# KiCad board IO_SDR_1.1.kicad_pcb (continued)
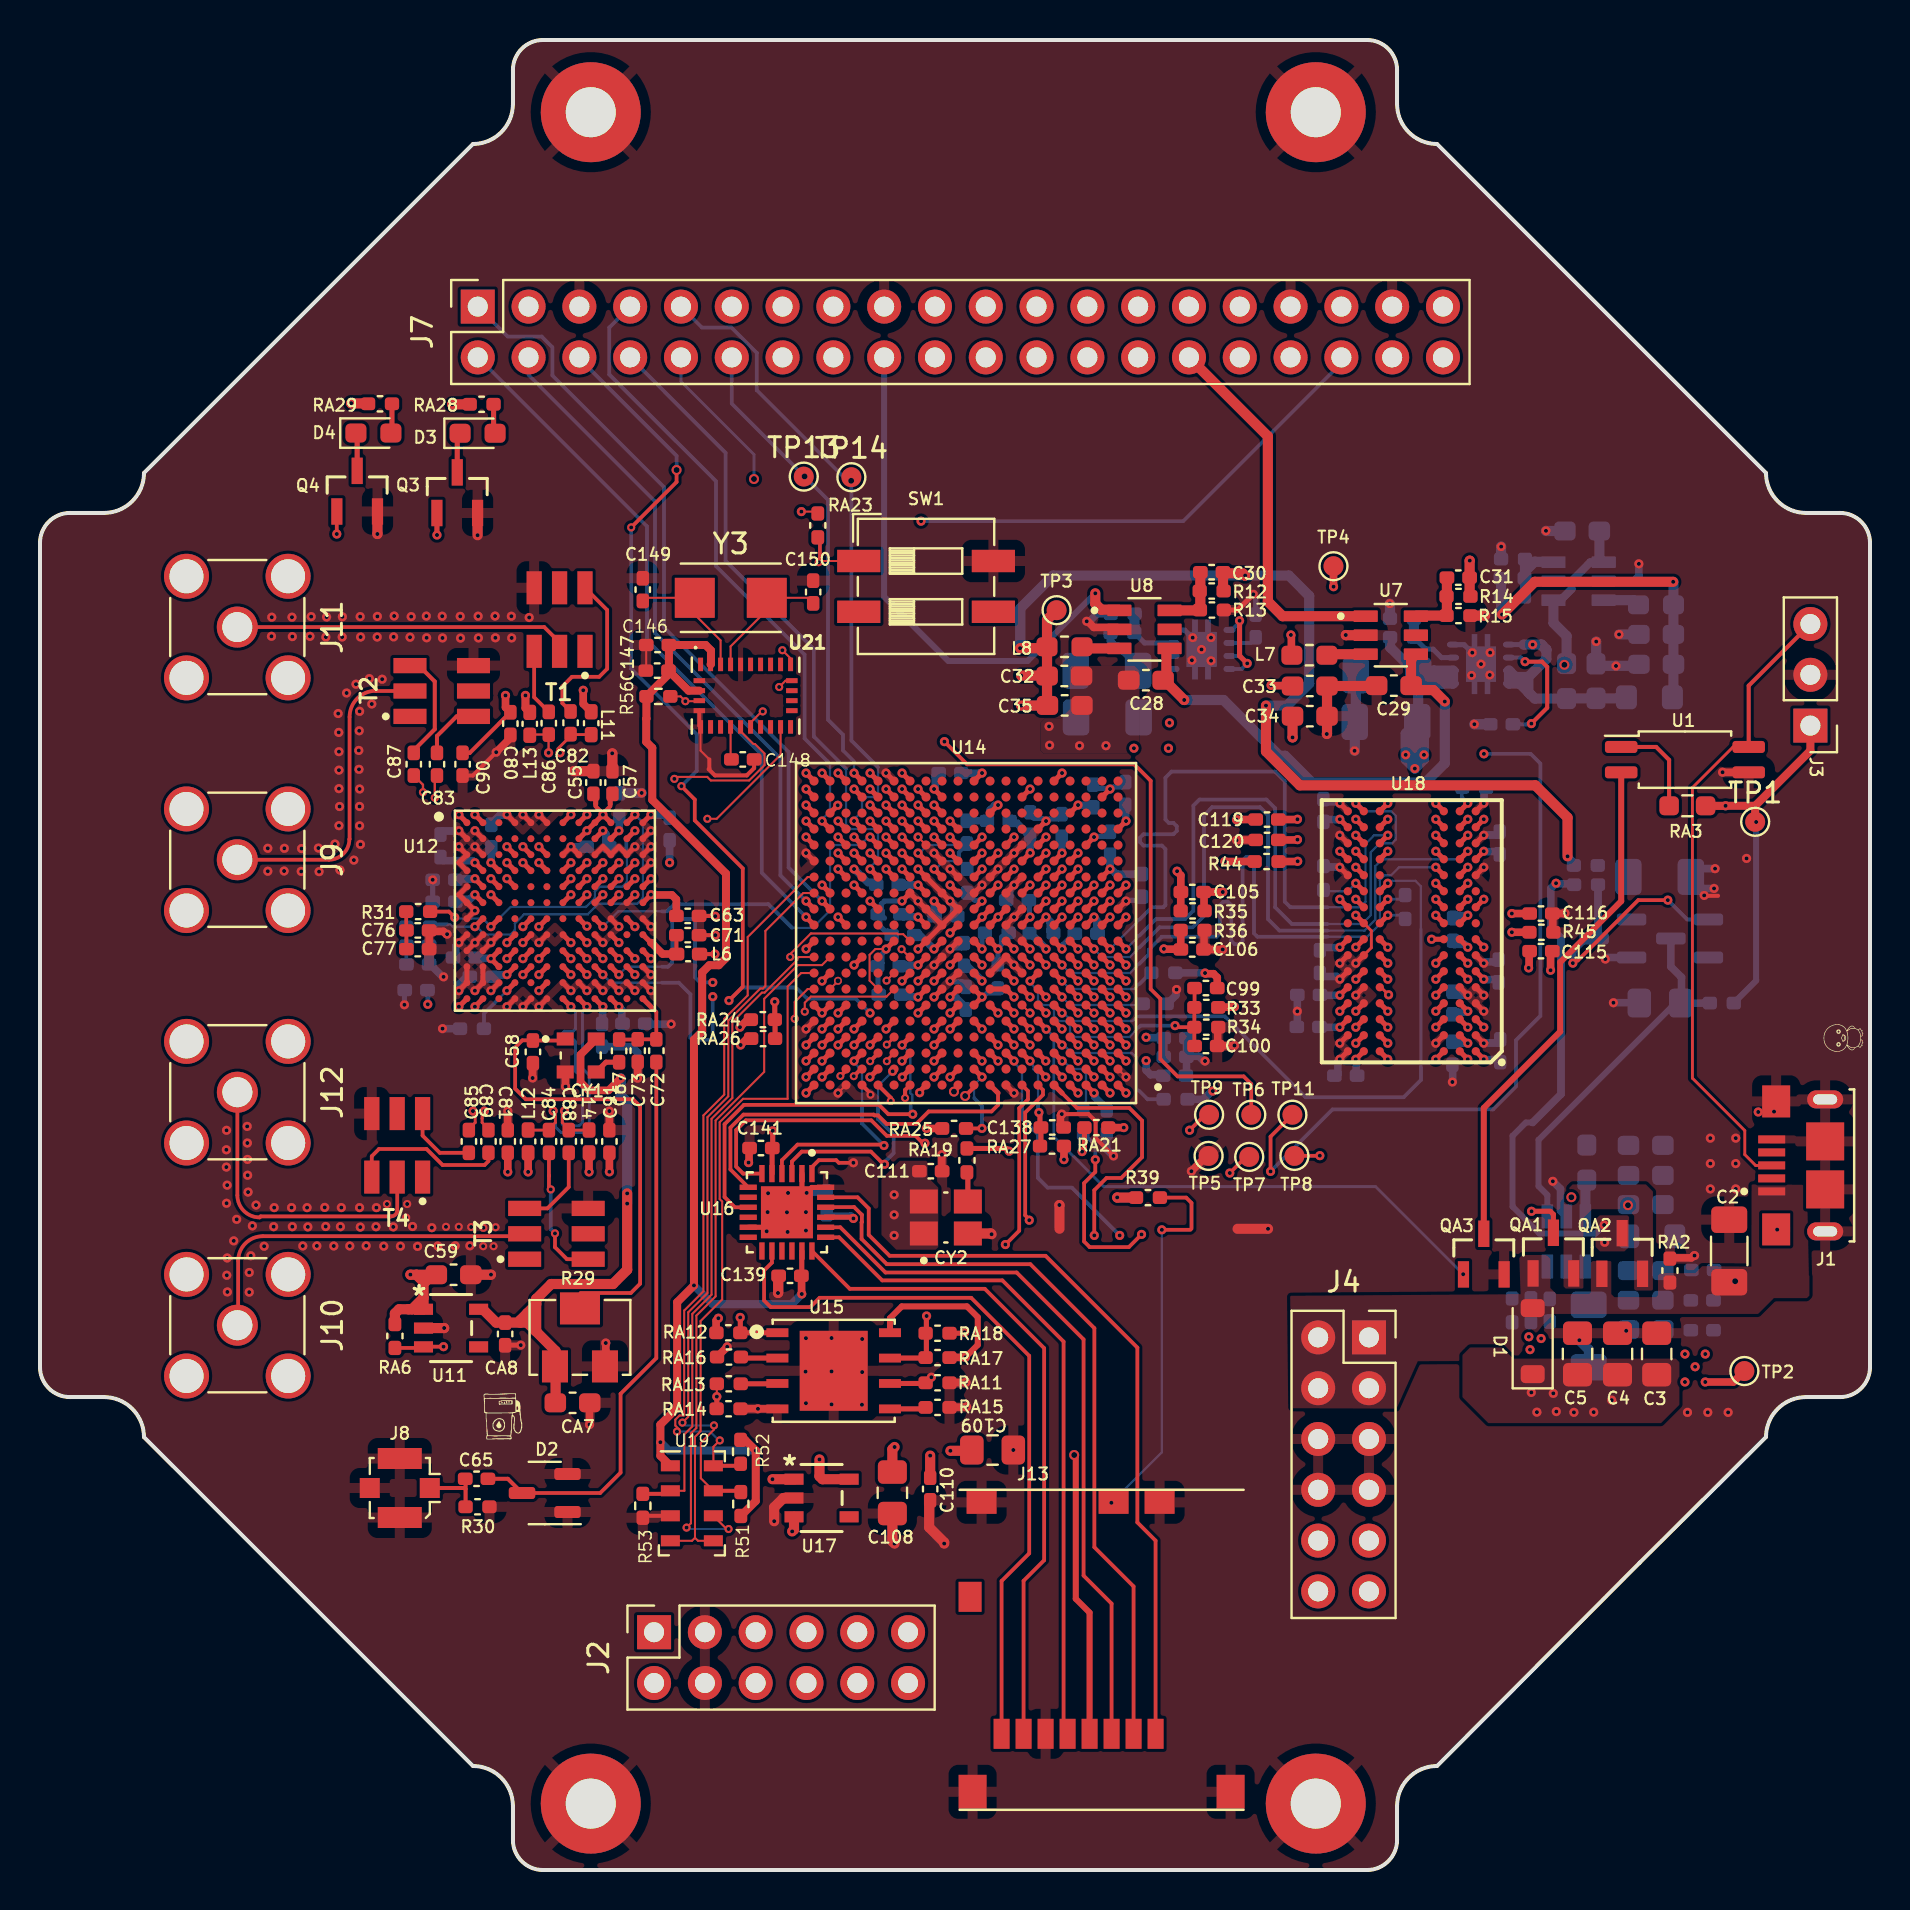
[diagram p0: board, top side]
## Routing (per net, layer and track width the routed paths; a pad name or vN(x,y) marks a point on that pad's centre or on a via; arc(x,y) is an arc through that point) (continued)
IO_L06_34_RX_D11: length 27.5
  Top.Cu w0.254: 26.95,46.77 v1(27.35,46.37) ; v1(43.1,50.85) U14.R14
  In4PWR2.Cu w0.113: v1(27.35,46.37) 27.75,46.77 32.02,46.77 33.51,48.26 36.79,48.26 36.89,48.16 36.89,46.87 37.07,46.69 37.55,46.69 37.83,46.97 37.83,47.91 37.97,48.05 38.71,48.05 38.85,47.91 38.85,47.42 38.91,47.35 39.33,47.35 39.43,47.45 39.43,48.16 39.81,48.54 40.18,48.54 40.34,48.38 40.34,47.54 40.41,47.48 40.73,47.48 40.98,47.73 40.98,48.75 41.11,48.88 41.11,49.39 41.37,49.65 42.47,49.65 42.7,49.88 42.7,50.21 42.47,50.45 42.07,50.45 41.9,50.62 41.9,51.17 41.98,51.25 43.03,51.25 43.1,51.18 43.1,50.85 v1(43.1,50.85)
IO_L07_34_RX_FRAME: length 24.2
  Top.Cu w0.254: 26.95,47.57 27.32,47.19 v1(27.35,47.19) ; v1(41.5,54.85) U14.Y16
  In2_Sig1.Cu w0.113: v1(41.5,54.85) 41.48,54.87 41.48,55.16 40.67,55.96 30.49,55.96 27.75,53.22 27.75,52.61 27.51,52.36 27.18,52.36 26.94,52.13 26.94,51.8 26.71,51.57 26.38,51.57 26.15,51.33 26.15,48.6 26.17,48.58 26.17,48.34 27.35,47.17
IO_L7N: length 32.6
  Top.Cu w0.254: v1(38.3,48.45) U14.M20
  Bottom.Cu w0.186: 24.43,74.75 30.75,68.43 30.75,61.85 37.02,55.58 37.02,49.73 v1(38.3,48.45)
IO_L7P: length 38.4
  Top.Cu w0.254: v1(39.1,48.45) U14.M19
  Bottom.Cu w0.186: v1(39.1,48.45) 37.43,50.12 37.43,55.9 31.2,62.13 31.2,69.15 25.62,74.73 25.62,76.14 25.08,76.67 23.38,76.67 J7.1
IO_L08_34_CTRL_OUT0: length 27.9
  Top.Cu w0.254: v1(43.1,54.05) U14.W14 ; v1(23.35,50.37) U12.D4
  In2_Sig1.Cu w0.113: v1(23.35,50.37) 23.75,50.77 25.14,50.77 25.41,51.03 25.41,52.68 27.54,54.82 27.54,55.81 29.12,57.38 37.3,57.38 37.65,57.03 41.49,57.03 43.5,55.01 43.5,54.45 v1(43.1,54.05)
IO_L08_34_CTRL_OUT1: length 25.8
  Top.Cu w0.254: v1(43.1,54.85) U14.Y14 ; v1(23.35,49.57) U12.E4
  In2_Sig1.Cu w0.113: v1(43.1,54.85) 42.5,55.45 41.35,56.6 30.08,56.6 28.58,55.1 28.23,55.1 25.66,52.53 25.66,50.37 25.26,49.97 23.82,49.97 23.42,49.57 v1(23.35,49.57)
IO_L09_34_TX_FRAME: length 19.1
  Top.Cu w0.254: U12.G9 v1(28.15,47.17) ; v1(41.5,51.65) U14.T16
  Bottom.Cu w0.113: v1(28.15,47.17) 28.91,47.93 31.1,47.93 ; v1(41.5,51.65) 41.42,51.65 41.02,51.25 40.54,51.25 40.53,51.25 39.74,51.25 39.5,51.01 39.5,47.98 38.63,47.11 37.6,47.11
  Bottom.Cu w0.186: 37.6,47.11 36.42,48.29 31.71,48.29 31.35,47.93 31.1,47.93
IO_L9N: length 35.4
  Top.Cu w0.254: v1(38.3,47.65) U14.L20
  Bottom.Cu w0.186: v1(38.3,47.65) 36.09,49.86 36.09,55.76 30.35,61.5 30.35,67.18 21.84,75.69
IO_L10_34_EN_AGC: length 26.4
  Top.Cu w0.254: v1(24.15,47.17) U12.G5 ; v1(42.3,54.05) U14.W15
  In2_Sig1.Cu w0.113: v1(42.3,54.05) 41.9,54.45 41.9,55.29 40.94,56.25 30.27,56.25 26.94,52.93 26.94,52.6 26.71,52.36 26.38,52.36 25.92,51.9 25.92,48.94 v1(24.15,47.17)
IO_L10P: length 27.2
  Top.Cu w0.254: v1(42.3,53.25) U14.V15
  In4PWR2.Cu w0.113: v1(42.3,53.25) 42.3,53.33 41.9,53.74 41.9,62.94 35.7,69.14 v2(35.7,69.55)
  Bottom.Cu w0.142: v2(35.7,69.55) 35.7,70.78 32.05,74.43 J7.10
IO_L11_34_ENABLE: length 22
  Top.Cu w0.254: v1(24.95,47.17) U12.G6 ; v1(42.3,52.45) U14.U15
  In2_Sig1.Cu w0.113: v1(42.3,52.45) 42.22,52.45 41.82,52.85 40.54,52.85 40.3,52.61 40.3,52.28 40.06,52.05 39.68,52.05 39.02,51.39 39.02,51.01 36.91,48.89 33.17,48.89 31.89,47.6 30.39,47.6 30.15,47.36 30.15,47.01 29.91,46.77 27.11,46.77 26.71,47.17 v1(24.95,47.17)
IO_L11_34_TXNRX: length 29.5
  Top.Cu w0.254: v1(43.1,52.45) U14.U14 ; v1(23.35,46.37) U12.H4
  In4PWR2.Cu w0.113: v1(43.1,52.45) 42.7,52.85 42.14,52.85 41.9,53.09 41.9,53.41 41.66,53.65 41.34,53.65 41.1,53.89 41.1,54.21 40.86,54.45 40.54,54.45 40.3,54.69 40.3,55.01 39.59,55.72 30.35,55.72 29.35,54.72 29.35,53.22 28.5,52.37 27.98,52.37 27.75,52.13 27.75,51.8 26.71,50.76 24.78,50.76 24.54,50.53 24.54,48.6 23.75,47.81 23.75,46.77 v1(23.35,46.37)
IO_L12_MRCC_34_DATA_CLK: length 13.9
  Top.Cu w0.254: U12.G11 v1(29.75,47.17) ; v1(39.9,52.45) U14.U18
  In2_Sig1.Cu w0.113: v1(39.9,52.45) 39.81,52.45 39.63,52.27 39.49,52.27 38.46,51.25 38.14,51.25 37.9,51.01 37.9,50.69 36.4,49.18 32.85,49.18 31.59,47.91 30.01,47.91 29.75,47.65 v1(29.75,47.17)
IO_L12N: length 31.5
  Top.Cu w0.254: v1(39.1,52.45) U14.U19
  Bottom.Cu w0.113: v1(39.1,52.45) 39.1,52.53 39.5,52.93 39.5,55.31
  Bottom.Cu w0.186: 39.5,55.31 39.35,55.45 38.23,56.58 38.23,60.77 33.8,65.2 33.8,69.44 28.46,74.77 28.46,77.12 J7.7
IO_L15_34_TX_D0: length 18.5
  Top.Cu w0.254: v1(38.3,51.65) U14.T20 ; 30.15,49.17 v1(30.55,49.57)
  In4PWR2.Cu w0.113: v1(38.3,51.65) 37.6,51.65 37.42,51.83 37.42,52.71 37.19,52.94 36.06,52.94 35.93,52.81 35.93,52.21 35.81,52.08 35.63,52.08 35.5,52.21 35.5,52.82 35.37,52.95 35.2,52.95 35.07,52.82 35.07,52.21 34.94,52.08 34.77,52.08 34.64,52.21 34.64,52.82 34.51,52.95 34.34,52.95 34.21,52.82 34.21,52.21 34.08,52.08 33.91,52.08 33.78,52.21 33.78,52.81 33.65,52.94 32.9,52.94 30.73,50.77 29.51,50.77 29.35,50.6 29.35,50.04 29.42,49.96 30.47,49.96 30.54,49.9 30.54,49.57 v1(30.55,49.57)
IO_L15_34_TX_D1: length 20.9
  Top.Cu w0.254: v1(39.1,54.85) U14.Y19 ; U12.D11 v1(29.75,50.37)
  In2_Sig1.Cu w0.113: v1(39.1,54.85) 39.11,54.84 39.11,54.52 39.17,54.45 40.2,54.45 40.3,54.35 40.3,53.88 40.06,53.65 38.94,53.65 38.7,53.41 38.7,53.08 38.46,52.85 37.56,52.85 36.61,51.9 35.9,51.9 35.77,51.77 35.77,51.03 35.64,50.9 35.46,50.9 35.34,51.03 35.34,51.87 35.21,52 35.03,52 34.9,51.87 34.9,51.03 34.78,50.9 34.6,50.9 34.47,51.03 34.47,51.87 34.34,52 34.17,52 34.04,51.87 34.04,51.03 33.91,50.9 33.74,50.9 33.61,51.03 33.61,51.77 33.48,51.9 32.95,51.9 32.13,51.08 31.41,51.08 31.1,50.76 30.23,50.76 29.84,50.37 v1(29.75,50.37)
IO_L15P_T2: length 44.3
  Top.Cu w0.254: U14.F19 v1(39.1,42.85) U14.F20
  In2_Sig1.Cu w0.113: v1(39.1,42.85) 41.09,44.83 41.09,45.41 41.01,45.48 41.15,45.48 43.71,48.05 44.06,48.05 44.3,48.28 44.3,48.61 44.54,48.85 45.67,48.85 45.9,49.08 45.9,49.56 46.35,50.02 46.35,59.9 42.66,63.59 42.66,71.22 38.14,75.74 38.14,77.16 J7.13
IO_L16_34_TX_D2: length 20.3
  Top.Cu w0.254: U12.E11 v1(29.75,49.57) ; v1(38.3,52.45) U14.U20
  In2_Sig1.Cu w0.113: 29.75,49.57 29.75,49.9 29.69,49.97 29.41,49.97 29.35,49.9 29.35,48.6 29.58,48.37 30.71,48.37 30.94,48.6 30.94,49.56 31.17,49.79 32.1,49.79 32.23,49.92 32.23,50.67 32.36,50.8 32.53,50.8 32.66,50.67 32.66,49.9 32.79,49.77 32.96,49.77 33.09,49.9 33.09,50.58 33.22,50.71 33.39,50.71 33.52,50.58 33.52,49.9 33.65,49.77 33.83,49.77 33.96,49.9 33.96,50.48 34.08,50.61 34.26,50.61 34.39,50.48 34.39,49.9 34.52,49.77 34.69,49.77 34.82,49.9 34.82,50.48 34.95,50.61 35.12,50.61 35.25,50.48 35.25,50.09 35.38,49.96 35.56,49.96 38,52.39 38.25,52.39 v1(38.3,52.45)
IO_L16_34_TX_D3: length 20
  Top.Cu w0.254: U12.D10 v1(28.95,50.37) ; v1(38.3,53.25) U14.V20
  In2_Sig1.Cu w0.113: v1(28.95,50.37) 29.34,50.76 29.91,50.76 30.14,51 30.14,51.33 30.38,51.56 31.1,51.56 31.43,51.89 31.43,52.08 31.24,52.26 31.24,52.45 31.37,52.57 31.55,52.57 32.24,51.88 32.42,51.88 32.55,52 32.55,52.18 32.22,52.5 32.22,52.69 32.78,53.25 33.6,53.25 33.73,53.12 33.73,52.42 33.86,52.29 34.03,52.29 34.16,52.42 34.16,53.12 34.29,53.25 34.46,53.25 34.59,53.12 34.59,52.42 34.72,52.29 34.89,52.29 35.02,52.42 35.02,53.12 35.15,53.25 35.32,53.25 35.45,53.12 35.45,52.42 35.58,52.29 35.75,52.29 35.88,52.42 35.88,53.12 36.01,53.25 36.19,53.25 36.32,53.12 36.32,52.57 36.44,52.44 36.62,52.44 36.75,52.57 36.75,53.12 36.88,53.25 v1(38.3,53.25)
IO_L17_34_TX_D4: length 20.8
  Top.Cu w0.254: v1(38.3,54.05) U14.W20 ; U12.E10 v1(28.95,49.57)
  In2_Sig1.Cu w0.113: v1(38.3,54.05) 37.2,54.05 37.08,54.18 37.08,54.5 36.95,54.63 36.77,54.63 36.64,54.5 36.64,53.67 36.52,53.54 36.34,53.54 36.21,53.67 36.21,54.5 36.08,54.63 35.91,54.63 35.78,54.5 35.78,53.67 35.65,53.54 35.48,53.54 35.35,53.67 35.35,53.92 35.22,54.05 35.05,54.05 34.92,53.92 34.92,53.67 34.79,53.54 34.62,53.54 34.49,53.67 34.49,53.92 34.36,54.05 34.19,54.05 34.06,53.92 34.06,53.67 33.93,53.54 33.76,53.54 33.63,53.67 33.63,53.92 33.5,54.05 32.44,54.05 32.13,53.74 32.13,53.56 32.32,53.38 32.32,53.19 32.19,53.07 32.01,53.07 31.3,53.78 31.12,53.78 31,53.66 31,53.47 31.34,53.13 31.34,52.95 30.76,52.37 30.38,52.37 30.15,52.13 30.15,51.8 29.91,51.56 29.58,51.56 28.55,50.53 28.55,49.96 v1(28.95,49.57)
IO_L17_34_TX_D5: length 20.7
  Top.Cu w0.254: U12.D9 v1(28.15,50.37) ; v1(39.9,54.85) U14.Y18
  In2_Sig1.Cu w0.113: v1(28.15,50.37) 28.2,50.42 28.2,50.65 29.34,51.79 29.34,52.13 29.58,52.37 29.91,52.37 30.15,52.61 30.15,52.93 30.62,53.4 30.62,54.59 30.94,54.92 32.18,54.92 32.31,54.79 32.31,54.47 32.44,54.34 32.61,54.34 32.74,54.47 32.74,54.95 32.87,55.08 33.04,55.08 33.17,54.95 33.17,54.47 33.3,54.34 33.47,54.34 33.6,54.47 33.6,54.95 33.73,55.08 33.9,55.08 34.03,54.95 34.03,54.47 34.16,54.34 34.33,54.34 34.46,54.47 34.46,54.95 34.59,55.08 34.76,55.08 34.89,54.95 34.89,54.47 35.02,54.34 35.19,54.34 35.32,54.47 35.32,54.79 35.45,54.92 36.84,54.92 37.17,55.25 39.5,55.25 v1(39.9,54.85)
IO_L18_34_TX_D6: length 20.3
  Top.Cu w0.254: U12.E9 v1(28.15,49.57) ; v1(41.5,54.05) U14.W16
  In2_Sig1.Cu w0.113: v1(41.5,54.05) 41.1,54.45 41.1,55.05 40.43,55.72 31.06,55.72 28.97,53.62 28.97,52.91 28.54,52.49 28.54,51.73 27.75,50.93 27.75,50.05 28.15,49.65 v1(28.15,49.57)
IO_L18_34_TX_D7: length 20
  Top.Cu w0.254: v1(41.5,53.25) U14.V16 ; 26.95,49.97 v1(27.35,50.37)
  In2_Sig1.Cu w0.113: v1(27.35,50.37) 27.35,50.12 27.75,49.72 27.75,48.6 28.21,48.14 30.98,48.14 32.32,49.48 35.57,49.48 37.6,51.51 38.14,52.05 38.47,52.05 38.7,52.29 38.7,52.61 38.94,52.85 40.07,52.85 40.3,53.08 40.3,53.41 40.54,53.65 41.43,53.65 41.5,53.58 41.5,53.25 v1(41.5,53.25)
IO_L19_34_TX_D8: length 19.5
  Top.Cu w0.254: v1(40.7,50.85) U14.R17 ; 26.95,49.17 v1(27.35,49.57)
  In4PWR2.Cu w0.113: v1(27.35,49.57) 27.74,49.17 27.74,48.61 27.98,48.37 30.71,48.37 31.57,49.23 31.89,49.23 33.54,50.88 34.34,50.88 34.47,50.75 34.47,50.57 34.59,50.44 34.77,50.44 34.9,50.57 34.9,50.83 35.03,50.96 35.2,50.96 35.33,50.83 35.33,50.57 35.46,50.44 35.63,50.44 35.76,50.57 35.76,50.83 35.89,50.96 36.06,50.96 36.19,50.83 36.19,50.57 36.32,50.44 36.49,50.44 36.62,50.57 36.62,50.75 36.75,50.88 37.78,50.88 37.86,50.8 37.86,50.36 37.94,50.27 38.29,50.27 39.26,51.25 40.22,51.25 40.62,50.85 v1(40.7,50.85)
IO_L19_34_TX_D9: length 19.6
  Top.Cu w0.254: 26.15,49.97 v1(26.55,50.37) ; v1(41.5,50.85) U14.R16
  In4PWR2.Cu w0.113: v1(26.55,50.37) 26.63,50.37 27.83,51.57 29.11,51.57 29.35,51.8 29.35,52.13 29.58,52.36 30.93,52.36 31.94,53.37 34.15,53.37 34.16,53.38 37.54,53.38 37.56,53.36 37.87,53.36 38.14,53.63 40.08,53.63 41.1,52.61 41.1,51.33 41.5,50.93 v1(41.5,50.85)
IO_L20_34_TX_D10: length 15.4
  Top.Cu w0.254: v1(39.9,50.85) U14.R18 ; 26.95,48.37 v1(27.35,48.77)
  In4PWR2.Cu w0.113: v1(39.9,50.85) 38.95,49.9 33.09,49.9 31.33,48.14 27.44,48.14 27.35,48.23 v1(27.35,48.77)
IO_L20_34_TX_D11: length 19
  Top.Cu w0.254: 26.15,49.17 v1(26.55,49.57) ; v1(40.7,51.65) U14.T17
  In4PWR2.Cu w0.113: v1(26.55,49.57) 26.55,49.57 26.55,49.9 26.62,49.96 27.68,49.96 27.75,50.03 27.75,51.16 27.87,51.29 28.18,51.29 28.23,51.24 28.23,51.01 28.3,50.94 28.96,50.94 29.58,51.56 30.97,51.56 32.56,53.16 34.24,53.16 34.25,53.17 37.45,53.17 37.77,52.85 40.07,52.85 40.3,52.61 40.3,52.13 40.7,51.73 v1(40.7,51.65)
IO_L23_35_SPI_CLK: length 20.6
  Top.Cu w0.254: v1(39.1,39.65) U14.B19 ; v1(24.15,45.57) U12.J5
  In2_Sig1.Cu w0.113: v1(39.1,39.65) 39.1,39.74 38.93,39.92 38.93,40.06 38.7,40.28 38.7,40.74 38.59,40.85 35.66,40.85 35.65,40.86 28.27,40.86 26.95,42.18 26.95,43.33 26.71,43.57 26.38,43.57 26.14,43.81 26.14,44.15 25.7,44.6 25.7,45.38 25.11,45.96 24.63,45.96 24.23,45.57 v1(24.15,45.57)
IO_L23_35_SPI_ENB: length 19.2
  Top.Cu w0.254: v1(24.95,44.77) U12.K6 ; v1(38.3,38.85) U14.A20
  In2_Sig1.Cu w0.113: v1(38.3,38.85) 37.99,38.54 28.71,38.54 25.47,41.78 25.47,43.21 25.11,43.56 24.78,43.56 24.55,43.8 24.55,44.28 24.95,44.68 v1(24.95,44.77)
IO_L24_35_SPI_D0: length 18.9
  Top.Cu w0.254: v1(24.95,43.97) U12.L6 ; v1(38.3,40.45) U14.C20
  In2_Sig1.Cu w0.113: v1(24.95,43.97) 25.03,43.97 25.69,43.3 25.69,42.9 26.04,42.55 26.04,41.81 28.77,39.09 37.98,39.09 38.14,39.25 38.46,39.25 38.7,39.48 38.7,39.97 38.3,40.36 v1(38.3,40.45)
IO_L24_35_SPI_DI: length 19.7
  Top.Cu w0.254: v1(38.3,39.65) U14.B20 ; v1(23.35,45.57) U12.J4
  In2_Sig1.Cu w0.113: v1(38.3,39.65) 30.88,39.65 30.34,40.19 28.28,40.19 26.53,41.94 26.53,42.55 26.15,42.93 26.15,43.35 25.47,44.02 25.47,44.9 25.2,45.17 23.83,45.17 23.43,45.57 v1(23.35,45.57)
IO_L24N: length 32.1
  Top.Cu w0.254: v1(41.5,50.05) U14.P16
  Bottom.Cu w0.113: 40.3,55.06 40.3,52.28 40.54,52.05 41.67,52.05 41.9,51.81 41.9,50.53 41.5,50.13 v1(41.5,50.05)
  Bottom.Cu w0.186: 40.3,55.06 38.69,56.67 38.69,61.04 34.28,65.46 34.28,70.86 J7.8
JTAG_BOOT: length 73.6
  Top.Cu w0.254: v1(46.23,26.89) 46.18,26.84 RA18.2
  In4PWR2.Cu w0.102: 74.15,62.77 72.79,64.13 71.93,64.13 70.15,65.91 J7.40
  In4PWR2.Cu w0.113: 74.15,62.77 75.08,61.84 75.08,59.3 75.09,59.29 75.09,44.4 75.7,43.79 75.7,40.92 70.5,35.73 66.52,35.73 61.15,30.36 55.58,30.36 52.1,26.88 46.24,26.88 v1(46.23,26.89)
PMOD0: length 30
  Top.Cu w0.2: v5(40.02,39.7) 40.3,39.98 U14.B18
  In2_Sig1.Cu w0.142: v5(40.02,39.7) 38.9,38.58 38.9,23.27 35.78,20.16 J2.5
PMOD1: length 29.2
  Top.Cu w0.2: U14.A17 41.52,38.83 v5(41.52,38.76)
  In2_Sig1.Cu w0.142: J2.7 38.32,16.29 40.7,18.67 40.7,31.1 41.07,31.47 41.07,35.76 40.7,36.14 40.7,37.93 v5(41.52,38.76)
PMOD2: length 30
  Top.Cu w0.142: U14.C15 42.34,40.49 v5(42.34,40.44)
  In2_Sig1.Cu w0.142: J2.9 42.02,13.05 42.02,34.13 41.73,34.42 41.73,37.66 42.15,38.08 42.15,40.25 v5(42.34,40.44)
PMOD3: length 28
  Top.Cu w0.2: U14.A16 42.54,38.61 v5(42.54,38.45)
  In2_Sig1.Cu w0.142: 43.24,33.89 42.79,34.34 42.79,38.2 v5(42.54,38.45) ; 43.24,12.05 J2.11
  In2_Sig1.Cu w0.2: 43.24,33.89 43.24,12.05
PMOD4: length 33.5
  Top.Cu w0.2: U14.B17 41.05,40.05 v5(40.69,39.69)
  In2_Sig1.Cu w0.142: J2.6 36.84,10.4 36.84,13.56 36.17,14.23 36.17,19.85 39.18,22.86 39.18,37.5 40.69,39.01 v5(40.69,39.69)
PMOD5: length 33.8
  Top.Cu w0.2: U14.C16 41.9,40.83 v5(41.51,40.44)
  In2_Sig1.Cu w0.142: v5(41.51,40.44) 41.09,40.02 41.09,38.94 40.27,38.12 40.27,18.72 37.3,15.75 37.3,10.37 J2.8
PMOD6: length 34.1
  Top.Cu w0.142: U14.D15 42.7,41.63 v5(42.34,41.27)
  In2_Sig1.Cu w0.142: v5(42.34,41.27) 41.9,40.83 41.9,38.38 41.39,37.87 41.39,34.4 41.63,34.16 41.63,18.81 39.84,17.02 39.84,10.37 J2.10
PMOD7: length 30.9
  Top.Cu w0.2: U14.A14 43.25,39 v5(43.25,38.6)
  In2_Sig1.Cu w0.102: 43.86,15.19 44.41,14.64 44.41,10.35 J2.12 ; v5(43.25,38.6) 43.22,38.56 43.22,36.66 43.86,36.02 43.86,34.6
  In2_Sig1.Cu w0.2: 43.86,15.19 43.86,34.6
PS: length 31.8
  Top.Cu w0.102: U14.J20 37.94,45.65 37.86,45.58 37.86,45.5 36.23,43.87 36.1,43.87 34.62,42.39 34.62,38.6 33.58,37.56 33.58,28.77 32.62,27.8 32.62,22.18 32.22,21.79 32.22,18.96 U19.2
  Top.Cu w0.2: R53.1 31.37,18.81
PS_MI00: length 131.7
  Top.Cu w0.254: 49.91,42.44 v1(50.31,42.04)
  In4PWR2.Cu w0.142: J7.3 26.09,79.83 69.94,79.83 77.31,72.46 77.31,58.19 77.8,57.7 77.8,41.9 71.16,35.26 v3(71.16,29.79)
  Bottom.Cu w0.142: v1(50.31,42.04) 50.69,41.66 50.69,36.67 53.19,34.17 66.78,34.17 v3(71.16,29.79)
PS_MI09: length 43.4
  Top.Cu w0.254: v1(51.11,39.64) 51.11,39.64 U14.B5
  In2_Sig1.Cu w0.113: J7.23 48.77,77.11 48.77,64.88 50.29,63.36 50.29,58.18 48.78,56.67 48.78,53.04 48.3,52.56 48.3,50.69 48.3,50.68 48.3,47.06 47.5,46.26 47.5,44.28 48.54,43.25 48.86,43.25 49.1,43.01 49.1,42.69 49.34,42.45 49.67,42.45 49.9,42.21 49.9,41.88 50.14,41.65 50.46,41.65 50.7,41.41 50.7,40.13 51.1,39.73 51.1,39.65
PS_MI011: length 59
  Top.Cu w0.186: v3(29.56,67.13) 31.83,69.4 v2(31.83,70) ; v1(34.45,43.47) 35.14,44.16 35.14,50.08 32.74,52.48 32.74,53.52 v3(32.07,54.19)
  Top.Cu w0.254: v1(50.29,40.45) 50.29,40.46 U14.C6
  In2_Sig1.Cu w0.113: 50.3,40.45 50.3,40.53 49.9,40.93 49.9,41.41 49.66,41.65 49.34,41.65 49.1,41.88 49.1,42.21 48.86,42.45 48.54,42.45 48.3,42.69 48.3,43.01 47.27,44.05 46.54,44.05 45.74,44.85 43.74,44.85 43.5,44.61 43.5,44.28 42.63,43.41 42.07,43.41 v1(41.5,42.85)
  Bottom.Cu w0.186: v1(34.45,43.47) 35.1,44.12 37.8,44.12 38.36,43.57 40.78,43.57 v1(41.5,42.85) ; 26.97,75.57 31.83,70.71 v2(31.83,70) ; v3(32.07,54.19) 32.84,54.96 32.84,56.78 29.56,60.06 v3(29.56,67.13)
PS_MI046: length 49
  Top.Cu w0.254: v1(41.5,41.25) U14.D16
  In4PWR2.Cu w0.113: J7.22 46.25,76.67 46.25,78.11 45.18,79.18 44.33,79.18 43.25,78.1 43.25,73.49 45.78,70.96 45.78,54.26 47.5,52.54 47.5,51.48 47.27,51.25 46.94,51.25 46.7,51.01 46.7,50.68 46.23,50.21 46.23,49.41 45.66,48.85 45.34,48.85 45.1,48.61 45.1,47.79 43.51,46.21 43.51,45.94 42.41,44.83 42.18,44.83 41.9,44.55 41.9,41.73 41.5,41.33 v1(41.5,41.25)
PS_MI048: length 40.4
  Top.Cu w0.254: v1(44.7,39.65) U14.B12
  In4PWR2.Cu w0.113: v1(44.7,39.65) 44.79,39.65 45.18,40.05 45.66,40.05 46.34,40.72 46.34,48.88 46.68,49.23 46.68,49.39 46.94,49.65 47.27,49.65 47.5,49.88 47.5,50.28 47.67,50.45 48.07,50.45 48.3,50.69 48.3,51.81 48.53,52.04 48.53,54.84 47.77,55.59 47.77,72.61 J7.20
PS_MI049: length 42.6
  Top.Cu w0.254: v1(44.7,40.45) U14.C12
  In4PWR2.Cu w0.113: v1(44.7,40.45) 44.79,40.45 45.18,40.85 45.66,40.85 45.91,41.09 45.91,48.77 46.46,49.32 46.46,49.48 46.66,49.69 46.66,50.17 46.94,50.45 47.26,50.45 47.5,50.69 47.5,51.17 48.08,51.74 48.08,52.86 48.3,53.08 48.3,54.38 46.85,55.83 46.85,71.47 43.74,74.58 43.74,77.16 J7.19
PS_MI052: length 38.5
  Top.Cu w0.254: U14.C10 v1(47.1,40.45)
  In4PWR2.Cu w0.113: v1(47.1,40.45) 46.56,40.98 46.56,48.47 46.94,48.85 47.26,48.85 47.5,49.08 47.5,49.5 47.65,49.65 48.07,49.65 48.3,49.89 48.3,50.21 48.54,50.45 48.86,50.45 49.1,50.69 49.1,55.02 48.42,55.71 48.42,74.22 J7.24
PS_MIO01_500_QSPI0_SS_B: length 26
  Top.Cu w0.186: v1(48.27,31.27) 48.96,31.96 48.96,38.09 49.4,38.53 49.4,38.95 U14.A7
  Top.Cu w0.254: v1(35.01,27.63) 35.02,27.62 RA12.2 36.86,26.86
  In4PWR2.Cu w0.113: v1(48.27,31.27) 47.02,30.03 42.91,30.03 40.51,27.63 v1(35.01,27.63)
PS_MIO02_500_QSPI0_IO0: length 1.7
  Top.Cu w0.254: U15.5 44.21,23.06
PS_MIO03_500_QSPI0_IO1: length 1.8
  Top.Cu w0.254: 35.1,25.6 U15.2
PS_MIO04_500_QSPI0_IO2: length 1.8
  Top.Cu w0.254: RA13.1 36.85,24.31
PS_MIO05_500_QSPI0_IO3: length 20
  Top.Cu w0.186: U14.A6 50.15,39 50.15,38.76 49.26,37.87 49.26,32.74 49.46,32.53 v1(49.46,32.49)
  Top.Cu w0.254: 44.32,25.66 44.32,27.69 v1(44.33,27.7) ; U15.7 44.26,25.6
  In4PWR2.Cu w0.113: v1(44.33,27.7) 44.33,28.99 44.68,29.34 48.07,29.34 49.46,30.74 v1(49.46,32.49)
PS_MIO06_500_QSPI0_SCLK: length 26.8
  Top.Cu w0.186: 51.1,38.85 51.85,38.1 54.47,38.1 55.1,37.47 55.1,35.64 54.06,34.6 53.32,34.6 52.71,33.99 v1(52.71,31.73)
  Top.Cu w0.254: U14.A5 51.1,38.85 ; 44.25,24.33 44.25,24.33 ; 44.25,24.33 U15.6 ; 44.25,24.33 v1(44.57,24.64)
  In4PWR2.Cu w0.113: v1(52.71,31.73) 49.64,28.66 46.58,28.66 44.94,27.01 44.94,25.01 v1(44.57,24.64)
PTI: length 31.8
  Top.Cu w0.142: U1.4 84.65,56.15 82.62,54.12 82.62,39.59 85.24,36.97 85.24,35.77 85.78,35.22 86.29,35.22
  Top.Cu w0.203: U1.4 85.44,59.22 J3.3
PWR_Rx: length 32.4
  Top.Cu w0.2: U14.A10 46.7,39.14 v2(46.26,38.7)
  In2_Sig1.Cu w0.142: v2(46.26,38.7) 46.26,34.8 63.54,17.52 65.4,17.52 J4.9
PWR_Tx: length 30.4
  Top.Cu w0.2: v2(45.7,38.92) 45.9,39.12 U14.A11
  In2_Sig1.Cu w0.142: J4.10 45.7,34.68 v2(45.7,38.92)
SCL: length 32.1
  Top.Cu w0.254: v1(40.7,52.45) U14.U17
  Top.Cu w0.4: v2(40.56,69.46) 40.57,69.47 TP14.1
  Bottom.Cu w0.113: v1(40.7,52.45) 40.7,52.53 41.1,52.93 41.1,53.41 41.34,53.65 41.66,53.65 41.9,53.88 41.9,55.14
  Bottom.Cu w0.186: 41.9,55.14 40.57,56.47 40.57,69.26 35.84,73.99 35.84,75.86 34.57,77.12 33.09,77.12 J7.9
SCLK-1: length 36
  Top.Cu w0.102: U19.8 33.67,21.16 v3(33.99,21.48) ; U14.P20 38.38,49.65 35.38,46.65 35.38,43.73 34.21,42.56 34.21,38.77 33.17,37.73 33.17,28.93 32.21,27.97 32.21,22.74 32.19,22.72 31.97,22.72 31.77,22.52 31.77,22.22 31.96,22.03 v3(31.85,21.92)
  Top.Cu w0.2: U19.8 34.93,20.21
  Bottom.Cu w0.102: v3(33.99,21.48) 33.95,21.48 33.51,21.92 v3(31.85,21.92)
SD0-1: length 35.4
  Top.Cu w0.102: v3(34.43,17.05) 34.33,17.05 U19.6 ; U14.J19 39.1,45.25 37.89,45.25 36.21,43.56 36.21,39.9 33.78,37.48 33.78,28.68 32.82,27.72 32.82,22.1 32.55,21.83 32.55,17.34 v3(32.33,17.12)
  Bottom.Cu w0.102: v3(34.43,17.05) 32.4,17.05 v3(32.33,17.12)
SD_BOOT: length 93.1
  Top.Cu w0.102: RA13.2 v1(33.84,23.67)
  Top.Cu w0.254: v1(33.84,23.67) 33.84,23.07
  In4PWR2.Cu w0.102: 76.74,69.56 76.74,71.58 J7.39
  In4PWR2.Cu w0.113: 76.74,69.56 76.74,55.04 77.33,54.46 77.33,42.14 70.62,35.44 67.19,35.44 61.32,29.57 55.84,29.57 48.55,22.28 43.59,22.28 41.56,24.31 34.48,24.31 v1(33.84,23.67)
SDA: length 23.9
  Top.Cu w0.254: v1(40.7,54.85) U14.Y17
  Top.Cu w0.4: v2(38.23,69.68) 38.22,69.67 TP13.1
  Bottom.Cu w0.113: v1(40.7,54.85) 40.7,55.43
  Bottom.Cu w0.186: J7.12 34.59,73.32 39.4,68.5 39.4,57.51 40.15,56.77 40.15,55.98 40.7,55.43
SDA-1: length 36.3
  Top.Cu w0.102: U14.N20 38.16,48.85 36.27,46.95 36.27,44.2 36.15,44.07 36.01,44.07 34.41,42.47 34.41,38.68 33.37,37.64 33.37,28.85 32.41,27.89 32.41,22.66 v3(32.12,22.37) ; U19.7 33.04,19.59 33.04,21.37 33.7,22.02 v3(33.7,22.23)
  Top.Cu w0.2: U19.7 34.98,18.96
  Bottom.Cu w0.102: v3(33.7,22.23) 32.26,22.23 v3(32.12,22.37)
SDMMC_CLK: length 19.3
  Top.Cu w0.186: U16.9 34.74,33.14 34.23,33.65 34.23,37.29 35.2,38.26 41.95,38.26 42.42,37.79 v1(43.64,37.79)
  Top.Cu w0.254: v1(43.1,41.25) U14.D14
  Bottom.Cu w0.113: 43.54,38.28 43.61,38.36 43.61,38.75 43.52,38.84 43.52,40.83 v1(43.1,41.25)
  Bottom.Cu w0.186: 43.54,38.28 43.54,37.89 v1(43.64,37.79)
SDMMC_CMD: length 11.5
  Top.Cu w0.186: v1(42.2,36.22) 42.15,36.27 37.88,36.27 37.1,35.49 U16.4
  Top.Cu w0.254: v1(40.7,40.45) U14.C17
  Bottom.Cu w0.113: v1(40.7,40.45) 40.7,40.37 41.1,39.97 41.1,38.28
  Bottom.Cu w0.186: v1(42.2,36.22) 41.1,37.32 41.1,38.28
SDMMC_D0: length 21
  Top.Cu w0.186: v1(44.25,36.34) 44.15,36.34 43.78,36.71 42.34,36.71 41.57,37.48 35.29,37.48 34.81,37 34.81,35.17 35.16,34.82 U16.6
  Top.Cu w0.254: v1(44.7,42.05) U14.E12
  In4PWR2.Cu w0.113: v1(44.25,36.34) 44.7,36.34 44.94,36.58 44.94,38.07 45.1,38.23 45.1,39.01 44.86,39.25 44.54,39.25 44.3,39.48 44.3,41.57 44.7,41.97 v1(44.7,42.05)
SDMMC_D1: length 18.8
  Top.Cu w0.186: 47.9,38.85 47.9,38.25 47.58,37.93 44.43,37.93 43.81,37.3 42.33,37.3 41.9,37.73 41.73,37.73 41.68,37.77 35.17,37.77 34.52,37.12 34.52,35.03 U16.7
  Top.Cu w0.254: U14.A9 47.9,38.85
SDMMC_D2: length 12.2
  Top.Cu w0.186: 38.6,35.15 38.94,35.49 39.81,35.49 39.94,35.36 v1(40.67,35.36)
  Top.Cu w0.254: v1(43.9,42.85) U14.F13
  In4PWR2.Cu w0.113: v1(40.67,35.36) 40.67,37.05 41.1,37.48 41.1,39.01 41.34,39.25 41.67,39.25 41.9,39.49 41.9,40.61 42.14,40.85 42.47,40.85 42.7,41.09 42.7,41.41 42.94,41.65 43.27,41.65 43.5,41.89 43.5,42.37 43.9,42.76 v1(43.9,42.85)
SDMMC_D3: length 11.3
  Top.Cu w0.186: U16.3 37.6,35.43 38.09,35.92 41.55,35.92 42.18,35.29 v1(42.22,35.29)
  Top.Cu w0.254: U14.B15 42.63,39.98 v1(42.63,39.94)
  Bottom.Cu w0.113: 41.9,38.28 41.9,39.21 v1(42.63,39.94)
  Bottom.Cu w0.186: 41.9,38.28 41.9,37.54 42.68,36.76 42.68,35.85 42.22,35.39 v1(42.22,35.29)
TCK: length 86.4
  Top.Cu w0.186: v1(61.53,34.93) 61.53,36.67 TP11.1
  Top.Cu w0.254: 47.5,43.25 v1(47.9,42.85)
  In4PWR2.Cu w0.102: J7.32 59.99,68 64.05,63.94
  In4PWR2.Cu w0.113: v1(61.53,34.93) 60.32,33.73 55.05,33.73 54.5,34.28 48.26,34.28 46.62,35.92 46.62,37.42 46.7,37.51 46.7,39.81 46.94,40.05 47.27,40.05 47.5,40.29 47.5,42.37 47.9,42.76 v1(47.9,42.85) ; v1(72.2,55.81) 72.18,55.81 64.05,63.94
  Bottom.Cu w0.186: v1(72.2,55.81) 74.53,55.81 75.02,55.32 75.02,42.7 73.8,41.48 73.8,39.17 72.65,38.03 64.63,38.03 v1(61.53,34.93)
TDI: length 73.5
  Top.Cu w0.186: v1(57.48,36.99) 58.25,37.76
  Top.Cu w0.254: 49.9,44.05 v1(50.3,43.65)
  In4PWR2.Cu w0.102: 66.89,68.66 62.53,73.02 J7.34
  In4PWR2.Cu w0.113: 66.89,68.66 68.67,66.88 68.67,61.24 73.85,56.06 73.85,48.76 73.11,48.02 73.11,40.31 69.96,37.16 63.15,37.16 62.48,36.49 58.08,36.49 57.58,36.99 v1(57.48,36.99) 57.38,36.99 56.84,36.45 54.11,36.45 53.32,37.25 52.61,37.25 51.4,38.45 50.94,38.45 50.7,38.69 50.7,39.62 50.7,39.62 50.7,39.81 50.94,40.05 51.26,40.05 51.5,40.28 51.5,41.41 51.26,41.65 50.94,41.65 50.7,41.89 50.7,43.17 50.3,43.56 v1(50.3,43.65)
TDO: length 82
  Top.Cu w0.186: 62.73,35.71 63.99,35.71 v1(63.99,35.72)
  Top.Cu w0.254: 49.9,43.25 v1(50.3,42.85)
  In4PWR2.Cu w0.102: J7.31 61.53,76.63 62.94,76.63 63.93,75.64 63.93,72.69
  In4PWR2.Cu w0.113: 63.93,72.69 63.93,72.47 69.2,67.21 69.2,61.17 74.74,55.63 74.74,46.33 73.95,45.54 73.95,44.33 74.38,43.9 74.38,41.94 73.83,41.39 73.83,40.05 70.19,36.4 64.69,36.4 64.01,35.72 v1(63.99,35.72) 63.97,35.69 54.21,35.69 53.4,34.88 50.76,34.88 49.1,36.53 49.1,39.49 49.9,40.29 49.9,40.61 49.9,40.61 49.9,42.36 50.3,42.76 v1(50.3,42.85)
TMS: length 63.8
  Top.Cu w0.186: v1(59.49,34.85) 60.29,35.65
  Top.Cu w0.254: 49.9,45.65 v1(50.3,45.25)
  In4PWR2.Cu w0.113: J7.29 58.74,76.88 58.74,64.02 52.64,57.92 52.64,54.77 51.5,53.63 51.5,50.68 51.26,50.45 50.94,50.45 50.7,50.21 50.7,49.88 50.46,49.65 50.14,49.65 49.9,49.41 49.9,45.73 50.3,45.33 v1(50.3,45.25) 50.3,45.16 49.9,44.77 49.9,42.69 49.66,42.45 49.34,42.45 49.1,42.21 49.1,41.88 48.86,41.65 48.54,41.65 48.3,41.41 48.3,40.29 48.07,40.05 47.74,40.05 47.5,39.81 47.5,38.18 47.79,37.9 47.79,35.23 48.46,34.57 54.62,34.57 55.17,34.02 58.65,34.02 v1(59.49,34.85)
